# Altium PCB JacdacBreadboardEc30-16x6 128.PcbDoc (part 2 of 2) (continued)
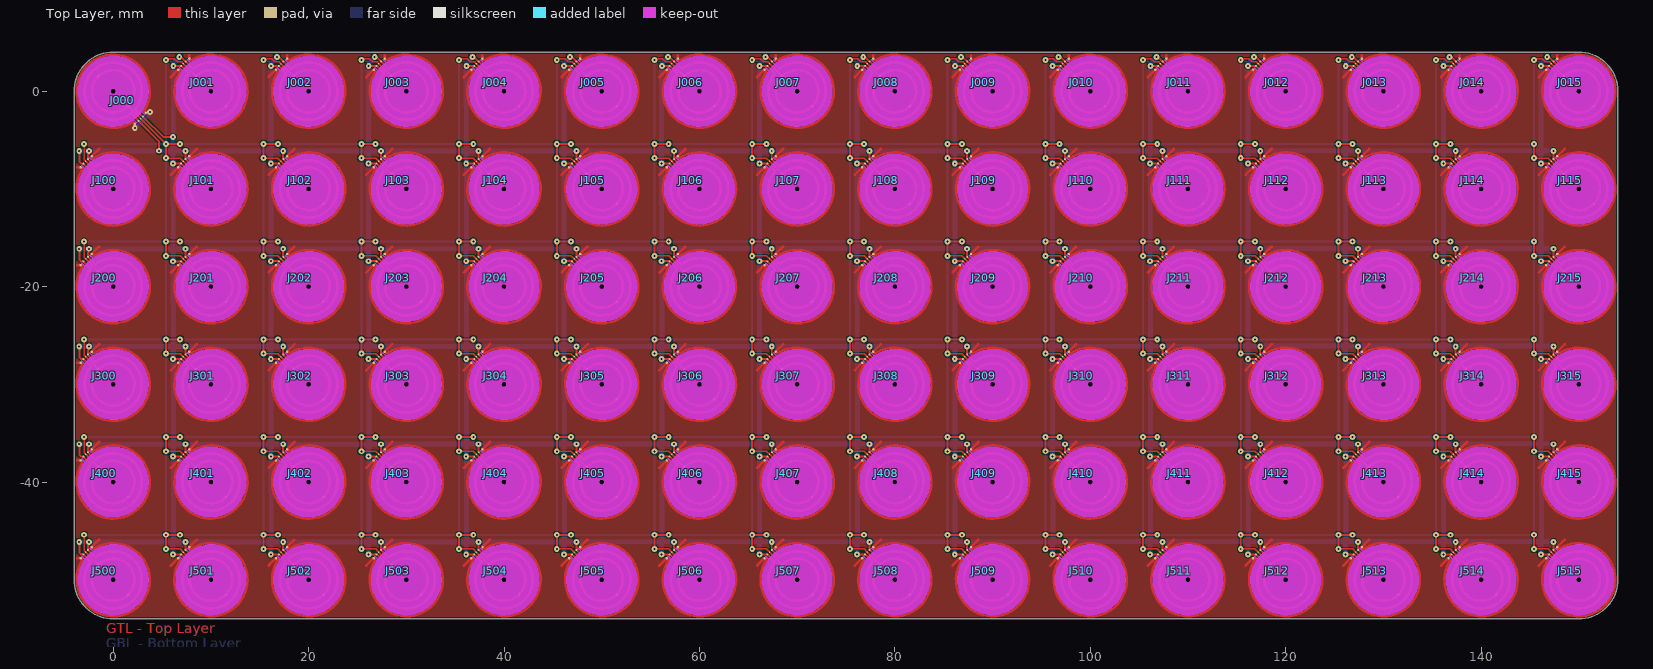
[diagram p0: Top Layer view]
## Nets (pads, with @x,y where several pads share a name; then routed paths per layer and width w, separated by ;. In a path a pad name is that pad's centre, name@x,y a point inside that pad or via, vN(x,y) a via of type N, cw(c..) or ccw(c..) an arc to the next point about the centre after c; other vN are vias at no path point) (continued)
  Bottom Layer w0.5: v1(-3.481,-46.131) v1(-2.471,-46.131) ; v1(-3.481,-36.131) v1(-2.471,-36.131) ; v1(-3.481,-26.131) v1(-2.471,-26.131) ; v1(-3.481,-16.131) v1(-2.471,-16.131) ; v1(-3.481,-6.131) v1(-2.471,-6.131) ; v1@-2.592,-46.137 6.134,-46.134 ; v1@-2.592,-36.137 6.134,-36.134 7.4,-36.134 16.134,-36.131 ; v1@-2.592,-26.137 6.134,-26.134 7.4,-26.134 16.134,-26.131 ; v1@-2.592,-16.137 6.134,-16.134 7.4,-16.134 16.134,-16.131 ; v1@-2.471,-6.137 -2.45,-6.116 4.684,-6.116 v1(4.7,-6.1) 4.719,-6.119 5.411,-6.119 5.426,-6.134 6.134,-6.134 ; v1@6.134,2.576 6.141,2.569 6.141,-4.691 v1(6.131,-4.7) 6.134,-4.702 6.134,-6.134 ; v1@6.135,-47.4 6.134,-46.134 ; v1(6.15,2.592) 6.169,2.611 6.169,2.876 6.766,3.473 v1(6.766,3.5) ; 6.173,-46.134 6.164,-37.4 6.163,-36.134 6.154,-27.4 6.153,-26.134 6.153,-21.796 6.131,-21.774 v1(6.131,-17.409) 6.143,-17.396 6.143,-16.134 6.135,-7.4 6.134,-6.134 ; v1@16.125,2.592 16.134,-6.131 ; v1@16.135,-47.4 16.134,-46.131 ; v1@16.135,-37.4 16.134,-36.131 ; v1@16.135,-27.4 16.134,-26.131 ; v1@16.135,-17.4 16.134,-16.131 ; 16.143,-16.134 16.135,-7.4 16.134,-6.131 ; v1@16.145,-17.4 16.153,-26.134 16.163,-36.134 16.173,-46.134 ; v1(16.15,2.592) 16.169,2.611 16.169,2.876 16.766,3.473 v1(16.766,3.5) ; v1@26.125,2.592 26.134,-6.128 ; v1@26.135,-47.4 26.134,-46.128 ; v1@26.135,-37.4 26.134,-36.128 ; v1@26.135,-27.4 26.134,-26.128 ; v1@26.135,-17.4 26.134,-16.128 ; v1@26.145,-17.4 26.153,-26.134 26.163,-36.134 26.173,-46.134 ; 26.143,-16.134 26.135,-7.4 26.134,-6.128 ; v1(26.15,2.592) 26.169,2.611 26.169,2.876 26.766,3.473 v1(26.766,3.5) ; v1@36.125,2.592 36.134,-6.124 ; v1@36.135,-47.4 36.134,-46.124 ; v1@36.135,-37.4 36.134,-36.124 ; v1@36.135,-27.4 36.134,-26.124 ; v1@36.135,-17.4 36.134,-16.124 ; 36.143,-16.134 36.135,-7.4 36.134,-6.124 ; v1@36.145,-17.4 36.153,-26.134 36.163,-36.134 36.173,-46.134 ; v1(36.15,2.592) 36.169,2.611 36.169,2.876 36.766,3.473 v1(36.766,3.5) ; v1@46.125,2.592 46.134,-6.121 ; v1@46.135,-47.4 46.134,-46.121 ; v1@46.135,-37.4 46.134,-36.121 ; v1@46.135,-27.4 46.134,-26.121 ; v1@46.135,-17.4 46.134,-16.121 ; 46.143,-16.134 46.135,-7.4 46.134,-6.121 ; v1@46.145,-17.4 46.153,-26.134 46.163,-36.134 46.173,-46.134 ; v1(46.15,2.592) 46.169,2.611 46.169,2.876 46.766,3.473 v1(46.766,3.5) ; v1@56.125,2.592 56.134,-6.118 ; v1@56.135,-47.4 56.134,-46.118 ; v1@56.135,-37.4 56.134,-36.118 ; v1@56.135,-27.4 56.134,-26.118 ; v1@56.135,-17.4 56.134,-16.118 ; 56.143,-16.134 56.135,-7.4 56.134,-6.118 ; v1@56.145,-17.4 56.153,-26.134 56.163,-36.134 56.173,-46.134 ; v1(56.15,2.592) 56.169,2.611 56.169,2.876 56.766,3.473 v1(56.766,3.5) ; v1@66.125,2.592 66.134,-6.114 ; v1@66.135,-47.4 66.134,-46.114 ; v1@66.135,-37.4 66.134,-36.114 ; v1@66.135,-27.4 66.134,-26.114 ; v1@66.135,-17.4 66.134,-16.114 ; 66.143,-16.134 66.135,-7.4 66.134,-6.114 ; v1@66.145,-17.4 66.153,-26.134 66.163,-36.134 66.173,-46.134 ; v1(66.15,2.592) 66.169,2.611 66.169,2.876 66.766,3.473 v1(66.766,3.5) ; v1@76.125,2.592 76.134,-6.111 ; v1@76.135,-47.4 76.134,-46.111 ; v1@76.135,-37.4 76.134,-36.111 ; v1@76.135,-27.4 76.134,-26.111 ; v1@76.135,-17.4 76.134,-16.111 ; 76.143,-16.134 76.135,-7.4 76.134,-6.111 ; v1@76.145,-17.4 76.153,-26.134 76.163,-36.134 76.173,-46.134 ; v1(76.15,2.592) 76.169,2.611 76.169,2.876 76.766,3.473 v1(76.766,3.5) ; v1@86.125,2.592 86.134,-6.108 ; v1@86.135,-47.4 86.134,-46.108 ; v1@86.135,-37.4 86.134,-36.108 ; v1@86.135,-27.4 86.134,-26.108 ; v1@86.135,-17.4 86.134,-16.108 ; 86.143,-16.134 86.135,-7.4 86.134,-6.108 ; v1@86.145,-17.4 86.153,-26.134 86.163,-36.134 86.173,-46.134 ; v1(86.15,2.592) 86.169,2.611 86.169,2.876 86.766,3.473 v1(86.766,3.5) ; v1@96.125,2.592 96.134,-6.105 ; v1@96.135,-47.4 96.134,-46.105 ; v1@96.135,-37.4 96.134,-36.105 ; v1@96.135,-27.4 96.134,-26.105 ; v1@96.135,-17.4 96.134,-16.105 ; 96.143,-16.134 96.135,-7.4 96.134,-6.105 ; v1@96.145,-17.4 96.153,-26.134 96.163,-36.134 96.173,-46.134 ; v1(96.15,2.592) 96.169,2.611 96.169,2.876 96.766,3.473 v1(96.766,3.5) ; v1@106.125,2.592 106.134,-6.101 ; v1@106.135,-47.4 106.134,-46.101 ; v1@106.135,-37.4 106.134,-36.101 ; v1@106.135,-27.4 106.134,-26.101 ; v1@106.135,-17.4 106.134,-16.101 ; 106.143,-16.134 106.135,-7.4 106.134,-6.101 ; v1@106.145,-17.4 106.153,-26.134 106.163,-36.134 106.173,-46.134 ; v1(106.15,2.592) 106.169,2.611 106.169,2.876 106.766,3.473 v1(106.766,3.5) ; v1@116.125,2.592 116.134,-6.098 ; v1@116.135,-47.4 116.134,-46.098 ; v1@116.135,-37.4 116.134,-36.098 ; v1@116.135,-27.4 116.134,-26.098 ; v1@116.135,-17.4 116.134,-16.098 ; 116.143,-16.134 116.135,-7.4 116.134,-6.098 ; v1@116.145,-17.4 116.153,-26.134 116.163,-36.134 116.173,-46.134 ; v1(116.15,2.592) 116.169,2.611 116.169,2.876 116.766,3.473 v1(116.766,3.5) ; v1@126.125,2.592 126.134,-6.095 ; v1@126.135,-47.4 126.134,-46.095 ; v1@126.135,-37.4 126.134,-36.095 ; v1@126.135,-27.4 126.134,-26.095 ; v1@126.135,-17.4 126.134,-16.095 ; 126.143,-16.134 126.135,-7.4 126.134,-6.095 ; v1@126.145,-17.4 126.153,-26.134 126.163,-36.134 126.173,-46.134 ; v1(126.15,2.592) 126.169,2.611 126.169,2.876 126.766,3.473 v1(126.766,3.5) ; v1@136.125,2.592 136.134,-6.091 ; v1@136.135,-47.4 136.134,-46.091 ; v1@136.135,-37.4 136.134,-36.091 ; v1@136.135,-27.4 136.134,-26.091 ; v1@136.135,-17.4 136.134,-16.091 ; 136.143,-16.134 136.135,-7.4 136.134,-6.091 ; v1@136.145,-17.4 136.153,-26.134 136.163,-36.134 136.173,-46.134 ; v1(136.15,2.592) 136.169,2.611 136.169,2.876 136.766,3.473 v1(136.766,3.5) ; v1@146.125,2.592 146.134,-6.088 ; v1@146.135,-47.4 146.134,-46.088 ; v1@146.135,-37.4 146.134,-36.088 ; v1@146.135,-27.4 146.134,-26.088 ; v1@146.135,-17.4 146.134,-16.088 ; 146.143,-16.134 146.135,-7.4 146.134,-6.088 ; v1@146.145,-17.4 146.153,-26.134 146.163,-36.134 146.173,-46.134 ; v1(146.15,2.592) 146.169,2.611 146.169,2.876 146.766,3.473 v1(146.766,3.5) ; v1@147.4,-46.088 146.134,-46.088 ; v1@147.4,-36.088 146.134,-36.088 ; v1@147.4,-26.088 146.134,-26.088 ; v1@147.4,-16.088 146.134,-16.088 ; v1@147.4,-6.088 146.134,-6.088 ; 6.134,-46.134 7.4,-46.134 16.134,-46.131 ; 6.134,-6.134 7.4,-6.134 16.134,-6.131 ; 16.134,-46.131 v1(17.4,-46.131) 26.134,-46.128 ; 16.134,-36.131 v1(17.4,-36.131) 26.134,-36.128 ; 16.134,-26.131 v1(17.4,-26.131) 26.134,-26.128 ; 16.134,-16.131 v1(17.4,-16.131) 26.134,-16.128 ; 16.134,-6.131 v1(17.4,-6.131) 26.134,-6.128 ; 26.134,-46.128 27.4,-46.127 36.134,-46.124 ; 26.134,-36.128 27.4,-36.127 36.134,-36.124 ; 26.134,-26.128 27.4,-26.127 36.134,-26.124 ; 26.134,-16.128 27.4,-16.127 36.134,-16.124 ; 26.134,-6.128 27.4,-6.127 36.134,-6.124 ; 36.134,-46.124 37.4,-46.124 46.134,-46.121 ; 36.134,-36.124 37.4,-36.124 46.134,-36.121 ; 36.134,-26.124 37.4,-26.124 46.134,-26.121 ; 36.134,-16.124 37.4,-16.124 46.134,-16.121 ; 36.134,-6.124 37.4,-6.124 46.134,-6.121 ; 46.134,-46.121 47.4,-46.121 56.134,-46.118 ; 46.134,-36.121 47.4,-36.121 56.134,-36.118 ; 46.134,-26.121 47.4,-26.121 56.134,-26.118 ; 46.134,-16.121 47.4,-16.121 56.134,-16.118 ; 46.134,-6.121 47.4,-6.121 56.134,-6.118 ; 56.134,-46.118 57.4,-46.117 66.134,-46.114 ; 56.134,-36.118 57.4,-36.117 66.134,-36.114 ; 56.134,-26.118 57.4,-26.117 66.134,-26.114 ; 56.134,-16.118 57.4,-16.117 66.134,-16.114 ; 56.134,-6.118 57.4,-6.117 66.134,-6.114 ; 66.134,-46.114 67.4,-46.114 76.134,-46.111 ; 66.134,-36.114 67.4,-36.114 76.134,-36.111 ; 66.134,-26.114 67.4,-26.114 76.134,-26.111 ; 66.134,-16.114 67.4,-16.114 76.134,-16.111 ; 66.134,-6.114 67.4,-6.114 76.134,-6.111 ; 76.134,-46.111 77.4,-46.111 86.134,-46.108 ; 76.134,-36.111 77.4,-36.111 86.134,-36.108 ; 76.134,-26.111 77.4,-26.111 86.134,-26.108 ; 76.134,-16.111 77.4,-16.111 86.134,-16.108 ; 76.134,-6.111 77.4,-6.111 86.134,-6.108 ; 86.134,-46.108 87.4,-46.107 96.134,-46.105 ; 86.134,-36.108 87.4,-36.107 96.134,-36.105 ; 86.134,-26.108 87.4,-26.107 96.134,-26.105 ; 86.134,-16.108 87.4,-16.107 96.134,-16.105 ; 86.134,-6.108 87.4,-6.107 96.134,-6.105 ; 96.134,-46.105 97.4,-46.104 106.134,-46.101 ; 96.134,-36.105 97.4,-36.104 106.134,-36.101 ; 96.134,-26.105 97.4,-26.104 106.134,-26.101 ; 96.134,-16.105 97.4,-16.104 106.134,-16.101 ; 96.134,-6.105 97.4,-6.104 106.134,-6.101 ; 106.134,-46.101 107.4,-46.101 116.134,-46.098 ; 106.134,-36.101 107.4,-36.101 116.134,-36.098 ; 106.134,-26.101 107.4,-26.101 116.134,-26.098 ; 106.134,-16.101 107.4,-16.101 116.134,-16.098 ; 106.134,-6.101 107.4,-6.101 116.134,-6.098 ; 116.134,-46.098 117.4,-46.098 126.134,-46.095 ; 116.134,-36.098 117.4,-36.098 126.134,-36.095 ; 116.134,-26.098 117.4,-26.098 126.134,-26.095 ; 116.134,-16.098 117.4,-16.098 126.134,-16.095 ; 116.134,-6.098 117.4,-6.098 126.134,-6.095 ; 126.134,-46.095 127.4,-46.094 136.134,-46.091 ; 126.134,-36.095 127.4,-36.094 136.134,-36.091 ; 126.134,-26.095 127.4,-26.094 136.134,-26.091 ; 126.134,-16.095 127.4,-16.094 136.134,-16.091 ; 126.134,-6.095 127.4,-6.094 136.134,-6.091 ; 136.134,-46.091 137.4,-46.091 146.134,-46.088 ; 136.134,-36.091 137.4,-36.091 146.134,-36.088 ; 136.134,-26.091 137.4,-26.091 146.134,-26.088 ; 136.134,-16.091 137.4,-16.091 146.134,-16.088 ; 136.134,-6.091 137.4,-6.091 146.134,-6.088
  other v1: 6.131,-47.4 16.131,-47.4 26.131,-47.4 36.131,-47.4 46.131,-47.4 56.131,-47.4 66.131,-47.4 76.131,-47.4 86.131,-47.4 96.131,-47.4 106.131,-47.4 116.131,-47.4 126.131,-47.4 136.131,-47.4 146.131,-47.4 6.131,-37.4 16.131,-37.4 26.131,-37.4 36.131,-37.4 46.131,-37.4 56.131,-37.4 66.131,-37.4 76.131,-37.4 86.131,-37.4 96.131,-37.4 106.131,-37.4 116.131,-37.4 126.131,-37.4 136.131,-37.4 146.131,-37.4 6.131,-27.4 16.131,-27.4 26.131,-27.4 36.131,-27.4 46.131,-27.4 56.131,-27.4 66.131,-27.4 76.131,-27.4 86.131,-27.4 96.131,-27.4 106.131,-27.4 116.131,-27.4 126.131,-27.4 136.131,-27.4 146.131,-27.4 16.131,-17.4 26.131,-17.4 36.131,-17.4 46.131,-17.4 56.131,-17.4 66.131,-17.4 76.131,-17.4 86.131,-17.4 96.131,-17.4 106.131,-17.4 116.131,-17.4 126.131,-17.4 136.131,-17.4 146.131,-17.4 6.131,-7.4 16.131,-7.4 26.131,-7.4 36.131,-7.4 46.131,-7.4 56.131,-7.4 66.131,-7.4 76.131,-7.4 86.131,-7.4 96.131,-7.4 106.131,-7.4 116.131,-7.4 126.131,-7.4 136.131,-7.4 146.131,-7.4
pads on no net: J000.16 J001.16 J002.16 J003.16 J004.16 J005.16 J006.16 J007.16 J008.16 J009.16 J010.16 J011.16 J012.16 J013.16 J014.16 J015.16 J100.16 J101.16 J102.16 J103.16 J104.16 J105.16 J106.16 J107.16 J108.16 J109.16 J110.16 J111.16 J112.16 J113.16 J114.16 J115.16 J200.16 J201.16 J202.16 J203.16 J204.16 J205.16 J206.16 J207.16 J208.16 J209.16 J210.16 J211.16 J212.16 J213.16 J214.16 J215.16 J300.16 J301.16 J302.16 J303.16 J304.16 J305.16 J306.16 J307.16 J308.16 J309.16 J310.16 J311.16 J312.16 J313.16 J314.16 J315.16 J400.16 J401.16 J402.16 J403.16 J404.16 J405.16 J406.16 J407.16 J408.16 J409.16 J410.16 J411.16 J412.16 J413.16 J414.16 J415.16 J500.16 J501.16 J502.16 J503.16 J504.16 J505.16 J506.16 J507.16 J508.16 J509.16 J510.16 J511.16 J512.16 J513.16 J514.16 J515.16

## Polygon pours and split planes (outlines as drawn)
GND on Top Layer "NONET_L-01_P-001" (solid, pour order 0): -4,-49.995 -4,0 cw(c0,0) 0,4 150.006,4 cw(c150.006,0) 154.006,0 154,0 154,-50 cw(c150,-50) 150,-54 0,-54 0,-53.995 cw(c0,-49.995)

## Other copper
Top Layer:
  text "GTL - Top Layer" at -0.699,-55.847 h1.7
Bottom Layer:
  pour cut-out: 6.5,-10 ccw(c10,-10) 10,-13.5 ccw(c10,-10) 13.5,-10 ccw(c10,-10) 10,-6.5 ccw(c10,-10)
  pour cut-out: 146.5,-50 ccw(c150,-50) 150,-53.5 ccw(c150,-50) 153.5,-50 ccw(c150,-50) 150,-46.5 ccw(c150,-50)
  pour cut-out: 146.5,-40 ccw(c150,-40) 150,-43.5 ccw(c150,-40) 153.5,-40 ccw(c150,-40) 150,-36.5 ccw(c150,-40)
  pour cut-out: 146.5,-30 ccw(c150,-30) 150,-33.5 ccw(c150,-30) 153.5,-30 ccw(c150,-30) 150,-26.5 ccw(c150,-30)
  pour cut-out: 146.5,-20 ccw(c150,-20) 150,-23.5 ccw(c150,-20) 153.5,-20 ccw(c150,-20) 150,-16.5 ccw(c150,-20)
  pour cut-out: 146.5,-10 ccw(c150,-10) 150,-13.5 ccw(c150,-10) 153.5,-10 ccw(c150,-10) 150,-6.5 ccw(c150,-10)
  pour cut-out: 146.5,0 ccw(c150,0) 150,-3.5 ccw(c150,0) 153.5,0 ccw(c150,0) 150,3.5 ccw(c150,0)
  pour cut-out: 136.5,-50 ccw(c140,-50) 140,-53.5 ccw(c140,-50) 143.5,-50 ccw(c140,-50) 140,-46.5 ccw(c140,-50)
  pour cut-out: 136.5,-40 ccw(c140,-40) 140,-43.5 ccw(c140,-40) 143.5,-40 ccw(c140,-40) 140,-36.5 ccw(c140,-40)
  pour cut-out: 136.5,-30 ccw(c140,-30) 140,-33.5 ccw(c140,-30) 143.5,-30 ccw(c140,-30) 140,-26.5 ccw(c140,-30)
  pour cut-out: 136.5,-20 ccw(c140,-20) 140,-23.5 ccw(c140,-20) 143.5,-20 ccw(c140,-20) 140,-16.5 ccw(c140,-20)
  pour cut-out: 136.5,-10 ccw(c140,-10) 140,-13.5 ccw(c140,-10) 143.5,-10 ccw(c140,-10) 140,-6.5 ccw(c140,-10)
  pour cut-out: 136.5,0 ccw(c140,0) 140,-3.5 ccw(c140,0) 143.5,0 ccw(c140,0) 140,3.5 ccw(c140,0)
  pour cut-out: 126.5,-50 ccw(c130,-50) 130,-53.5 ccw(c130,-50) 133.5,-50 ccw(c130,-50) 130,-46.5 ccw(c130,-50)
  pour cut-out: 126.5,-40 ccw(c130,-40) 130,-43.5 ccw(c130,-40) 133.5,-40 ccw(c130,-40) 130,-36.5 ccw(c130,-40)
  pour cut-out: 126.5,-30 ccw(c130,-30) 130,-33.5 ccw(c130,-30) 133.5,-30 ccw(c130,-30) 130,-26.5 ccw(c130,-30)
  pour cut-out: 126.5,-20 ccw(c130,-20) 130,-23.5 ccw(c130,-20) 133.5,-20 ccw(c130,-20) 130,-16.5 ccw(c130,-20)
  pour cut-out: 126.5,-10 ccw(c130,-10) 130,-13.5 ccw(c130,-10) 133.5,-10 ccw(c130,-10) 130,-6.5 ccw(c130,-10)
  pour cut-out: 126.5,0 ccw(c130,0) 130,-3.5 ccw(c130,0) 133.5,0 ccw(c130,0) 130,3.5 ccw(c130,0)
  pour cut-out: 116.5,-50 ccw(c120,-50) 120,-53.5 ccw(c120,-50) 123.5,-50 ccw(c120,-50) 120,-46.5 ccw(c120,-50)
  pour cut-out: 116.5,-40 ccw(c120,-40) 120,-43.5 ccw(c120,-40) 123.5,-40 ccw(c120,-40) 120,-36.5 ccw(c120,-40)
  pour cut-out: 116.5,-30 ccw(c120,-30) 120,-33.5 ccw(c120,-30) 123.5,-30 ccw(c120,-30) 120,-26.5 ccw(c120,-30)
  pour cut-out: 116.5,-20 ccw(c120,-20) 120,-23.5 ccw(c120,-20) 123.5,-20 ccw(c120,-20) 120,-16.5 ccw(c120,-20)
  pour cut-out: 116.5,-10 ccw(c120,-10) 120,-13.5 ccw(c120,-10) 123.5,-10 ccw(c120,-10) 120,-6.5 ccw(c120,-10)
  pour cut-out: 116.5,0 ccw(c120,0) 120,-3.5 ccw(c120,0) 123.5,0 ccw(c120,0) 120,3.5 ccw(c120,0)
  pour cut-out: 106.5,-50 ccw(c110,-50) 110,-53.5 ccw(c110,-50) 113.5,-50 ccw(c110,-50) 110,-46.5 ccw(c110,-50)
  pour cut-out: 106.5,-40 ccw(c110,-40) 110,-43.5 ccw(c110,-40) 113.5,-40 ccw(c110,-40) 110,-36.5 ccw(c110,-40)
  pour cut-out: 106.5,-30 ccw(c110,-30) 110,-33.5 ccw(c110,-30) 113.5,-30 ccw(c110,-30) 110,-26.5 ccw(c110,-30)
  pour cut-out: 106.5,-20 ccw(c110,-20) 110,-23.5 ccw(c110,-20) 113.5,-20 ccw(c110,-20) 110,-16.5 ccw(c110,-20)
  pour cut-out: 106.5,-10 ccw(c110,-10) 110,-13.5 ccw(c110,-10) 113.5,-10 ccw(c110,-10) 110,-6.5 ccw(c110,-10)
  pour cut-out: 106.5,0 ccw(c110,0) 110,-3.5 ccw(c110,0) 113.5,0 ccw(c110,0) 110,3.5 ccw(c110,0)
  pour cut-out: 96.5,-50 ccw(c100,-50) 100,-53.5 ccw(c100,-50) 103.5,-50 ccw(c100,-50) 100,-46.5 ccw(c100,-50)
  pour cut-out: 96.5,-40 ccw(c100,-40) 100,-43.5 ccw(c100,-40) 103.5,-40 ccw(c100,-40) 100,-36.5 ccw(c100,-40)
  pour cut-out: 96.5,-30 ccw(c100,-30) 100,-33.5 ccw(c100,-30) 103.5,-30 ccw(c100,-30) 100,-26.5 ccw(c100,-30)
  pour cut-out: 96.5,-20 ccw(c100,-20) 100,-23.5 ccw(c100,-20) 103.5,-20 ccw(c100,-20) 100,-16.5 ccw(c100,-20)
  pour cut-out: 96.5,-10 ccw(c100,-10) 100,-13.5 ccw(c100,-10) 103.5,-10 ccw(c100,-10) 100,-6.5 ccw(c100,-10)
  pour cut-out: 96.5,0 ccw(c100,0) 100,-3.5 ccw(c100,0) 103.5,0 ccw(c100,0) 100,3.5 ccw(c100,0)
  pour cut-out: 86.5,-50 ccw(c90,-50) 90,-53.5 ccw(c90,-50) 93.5,-50 ccw(c90,-50) 90,-46.5 ccw(c90,-50)
  pour cut-out: 86.5,-40 ccw(c90,-40) 90,-43.5 ccw(c90,-40) 93.5,-40 ccw(c90,-40) 90,-36.5 ccw(c90,-40)
  pour cut-out: 86.5,-30 ccw(c90,-30) 90,-33.5 ccw(c90,-30) 93.5,-30 ccw(c90,-30) 90,-26.5 ccw(c90,-30)
  pour cut-out: 86.5,-20 ccw(c90,-20) 90,-23.5 ccw(c90,-20) 93.5,-20 ccw(c90,-20) 90,-16.5 ccw(c90,-20)
  pour cut-out: 86.5,-10 ccw(c90,-10) 90,-13.5 ccw(c90,-10) 93.5,-10 ccw(c90,-10) 90,-6.5 ccw(c90,-10)
  pour cut-out: 86.5,0 ccw(c90,0) 90,-3.5 ccw(c90,0) 93.5,0 ccw(c90,0) 90,3.5 ccw(c90,0)
  pour cut-out: 76.5,-50 ccw(c80,-50) 80,-53.5 ccw(c80,-50) 83.5,-50 ccw(c80,-50) 80,-46.5 ccw(c80,-50)
  pour cut-out: 76.5,-40 ccw(c80,-40) 80,-43.5 ccw(c80,-40) 83.5,-40 ccw(c80,-40) 80,-36.5 ccw(c80,-40)
  pour cut-out: 76.5,-30 ccw(c80,-30) 80,-33.5 ccw(c80,-30) 83.5,-30 ccw(c80,-30) 80,-26.5 ccw(c80,-30)
  pour cut-out: 76.5,-20 ccw(c80,-20) 80,-23.5 ccw(c80,-20) 83.5,-20 ccw(c80,-20) 80,-16.5 ccw(c80,-20)
  pour cut-out: 76.5,-10 ccw(c80,-10) 80,-13.5 ccw(c80,-10) 83.5,-10 ccw(c80,-10) 80,-6.5 ccw(c80,-10)
  pour cut-out: 76.5,0 ccw(c80,0) 80,-3.5 ccw(c80,0) 83.5,0 ccw(c80,0) 80,3.5 ccw(c80,0)
  pour cut-out: 66.5,-50 ccw(c70,-50) 70,-53.5 ccw(c70,-50) 73.5,-50 ccw(c70,-50) 70,-46.5 ccw(c70,-50)
  pour cut-out: 66.5,-40 ccw(c70,-40) 70,-43.5 ccw(c70,-40) 73.5,-40 ccw(c70,-40) 70,-36.5 ccw(c70,-40)
  pour cut-out: 66.5,-30 ccw(c70,-30) 70,-33.5 ccw(c70,-30) 73.5,-30 ccw(c70,-30) 70,-26.5 ccw(c70,-30)
  pour cut-out: 66.5,-20 ccw(c70,-20) 70,-23.5 ccw(c70,-20) 73.5,-20 ccw(c70,-20) 70,-16.5 ccw(c70,-20)
  pour cut-out: 66.5,-10 ccw(c70,-10) 70,-13.5 ccw(c70,-10) 73.5,-10 ccw(c70,-10) 70,-6.5 ccw(c70,-10)
  pour cut-out: 66.5,0 ccw(c70,0) 70,-3.5 ccw(c70,0) 73.5,0 ccw(c70,0) 70,3.5 ccw(c70,0)
  pour cut-out: 56.5,-50 ccw(c60,-50) 60,-53.5 ccw(c60,-50) 63.5,-50 ccw(c60,-50) 60,-46.5 ccw(c60,-50)
  pour cut-out: 56.5,-40 ccw(c60,-40) 60,-43.5 ccw(c60,-40) 63.5,-40 ccw(c60,-40) 60,-36.5 ccw(c60,-40)
  pour cut-out: 56.5,-30 ccw(c60,-30) 60,-33.5 ccw(c60,-30) 63.5,-30 ccw(c60,-30) 60,-26.5 ccw(c60,-30)
  pour cut-out: 56.5,-20 ccw(c60,-20) 60,-23.5 ccw(c60,-20) 63.5,-20 ccw(c60,-20) 60,-16.5 ccw(c60,-20)
  pour cut-out: 56.5,-10 ccw(c60,-10) 60,-13.5 ccw(c60,-10) 63.5,-10 ccw(c60,-10) 60,-6.5 ccw(c60,-10)
  pour cut-out: 56.5,0 ccw(c60,0) 60,-3.5 ccw(c60,0) 63.5,0 ccw(c60,0) 60,3.5 ccw(c60,0)
  pour cut-out: 46.5,-50 ccw(c50,-50) 50,-53.5 ccw(c50,-50) 53.5,-50 ccw(c50,-50) 50,-46.5 ccw(c50,-50)
  pour cut-out: 46.5,-40 ccw(c50,-40) 50,-43.5 ccw(c50,-40) 53.5,-40 ccw(c50,-40) 50,-36.5 ccw(c50,-40)
  pour cut-out: 46.5,-30 ccw(c50,-30) 50,-33.5 ccw(c50,-30) 53.5,-30 ccw(c50,-30) 50,-26.5 ccw(c50,-30)
  pour cut-out: 46.5,-20 ccw(c50,-20) 50,-23.5 ccw(c50,-20) 53.5,-20 ccw(c50,-20) 50,-16.5 ccw(c50,-20)
  pour cut-out: 46.5,-10 ccw(c50,-10) 50,-13.5 ccw(c50,-10) 53.5,-10 ccw(c50,-10) 50,-6.5 ccw(c50,-10)
  pour cut-out: 46.5,0 ccw(c50,0) 50,-3.5 ccw(c50,0) 53.5,0 ccw(c50,0) 50,3.5 ccw(c50,0)
  pour cut-out: 36.5,-50 ccw(c40,-50) 40,-53.5 ccw(c40,-50) 43.5,-50 ccw(c40,-50) 40,-46.5 ccw(c40,-50)
  pour cut-out: 36.5,-40 ccw(c40,-40) 40,-43.5 ccw(c40,-40) 43.5,-40 ccw(c40,-40) 40,-36.5 ccw(c40,-40)
  pour cut-out: 36.5,-30 ccw(c40,-30) 40,-33.5 ccw(c40,-30) 43.5,-30 ccw(c40,-30) 40,-26.5 ccw(c40,-30)
  pour cut-out: 36.5,-20 ccw(c40,-20) 40,-23.5 ccw(c40,-20) 43.5,-20 ccw(c40,-20) 40,-16.5 ccw(c40,-20)
  pour cut-out: 36.5,-10 ccw(c40,-10) 40,-13.5 ccw(c40,-10) 43.5,-10 ccw(c40,-10) 40,-6.5 ccw(c40,-10)
  pour cut-out: 36.5,0 ccw(c40,0) 40,-3.5 ccw(c40,0) 43.5,0 ccw(c40,0) 40,3.5 ccw(c40,0)
  pour cut-out: 26.5,-50 ccw(c30,-50) 30,-53.5 ccw(c30,-50) 33.5,-50 ccw(c30,-50) 30,-46.5 ccw(c30,-50)
  pour cut-out: 26.5,-40 ccw(c30,-40) 30,-43.5 ccw(c30,-40) 33.5,-40 ccw(c30,-40) 30,-36.5 ccw(c30,-40)
  pour cut-out: 26.5,-30 ccw(c30,-30) 30,-33.5 ccw(c30,-30) 33.5,-30 ccw(c30,-30) 30,-26.5 ccw(c30,-30)
  pour cut-out: 26.5,-20 ccw(c30,-20) 30,-23.5 ccw(c30,-20) 33.5,-20 ccw(c30,-20) 30,-16.5 ccw(c30,-20)
  pour cut-out: 26.5,-10 ccw(c30,-10) 30,-13.5 ccw(c30,-10) 33.5,-10 ccw(c30,-10) 30,-6.5 ccw(c30,-10)
  pour cut-out: 26.5,0 ccw(c30,0) 30,-3.5 ccw(c30,0) 33.5,0 ccw(c30,0) 30,3.5 ccw(c30,0)
  pour cut-out: 16.5,-50 ccw(c20,-50) 20,-53.5 ccw(c20,-50) 23.5,-50 ccw(c20,-50) 20,-46.5 ccw(c20,-50)
  pour cut-out: 16.5,-40 ccw(c20,-40) 20,-43.5 ccw(c20,-40) 23.5,-40 ccw(c20,-40) 20,-36.5 ccw(c20,-40)
  pour cut-out: 16.5,-30 ccw(c20,-30) 20,-33.5 ccw(c20,-30) 23.5,-30 ccw(c20,-30) 20,-26.5 ccw(c20,-30)
  pour cut-out: 16.5,-20 ccw(c20,-20) 20,-23.5 ccw(c20,-20) 23.5,-20 ccw(c20,-20) 20,-16.5 ccw(c20,-20)
  pour cut-out: 16.5,-10 ccw(c20,-10) 20,-13.5 ccw(c20,-10) 23.5,-10 ccw(c20,-10) 20,-6.5 ccw(c20,-10)
  pour cut-out: 16.5,0 ccw(c20,0) 20,-3.5 ccw(c20,0) 23.5,0 ccw(c20,0) 20,3.5 ccw(c20,0)
  pour cut-out: 6.5,-50 ccw(c10,-50) 10,-53.5 ccw(c10,-50) 13.5,-50 ccw(c10,-50) 10,-46.5 ccw(c10,-50)
  pour cut-out: 6.5,-40 ccw(c10,-40) 10,-43.5 ccw(c10,-40) 13.5,-40 ccw(c10,-40) 10,-36.5 ccw(c10,-40)
  pour cut-out: 6.5,-30 ccw(c10,-30) 10,-33.5 ccw(c10,-30) 13.5,-30 ccw(c10,-30) 10,-26.5 ccw(c10,-30)
  pour cut-out: 6.5,-20 ccw(c10,-20) 10,-23.5 ccw(c10,-20) 13.5,-20 ccw(c10,-20) 10,-16.5 ccw(c10,-20)
  pour cut-out: 6.5,0 ccw(c10,0) 10,-3.5 ccw(c10,0) 13.5,0 ccw(c10,0) 10,3.5 ccw(c10,0)
  pour cut-out: -3.5,0 ccw(c0,0) 0,-3.5 ccw(c0,0) 3.5,0 ccw(c0,0) 0,3.5 ccw(c0,0)
  pour cut-out: -3.5,-10 ccw(c0,-10) 0,-13.5 ccw(c0,-10) 3.5,-10 ccw(c0,-10) 0,-6.5 ccw(c0,-10)
  pour cut-out: -3.5,-20 ccw(c0,-20) 0,-23.5 ccw(c0,-20) 3.5,-20 ccw(c0,-20) 0,-16.5 ccw(c0,-20)
  pour cut-out: -3.5,-30 ccw(c0,-30) 0,-33.5 ccw(c0,-30) 3.5,-30 ccw(c0,-30) 0,-26.5 ccw(c0,-30)
  pour cut-out: -3.5,-40 ccw(c0,-40) 0,-43.5 ccw(c0,-40) 3.5,-40 ccw(c0,-40) 0,-36.5 ccw(c0,-40)
  pour cut-out: -3.5,-50 ccw(c0,-50) 0,-53.5 ccw(c0,-50) 3.5,-50 ccw(c0,-50) 0,-46.5 ccw(c0,-50)
  text "GBL - Bottom Layer" at -0.699,-57.347 h1.7

## Silkscreen, mask and mechanical layers (free items; w line width, h text height)
Top Overlay:
  text "GTO - Top Overlay" at 13.801,-58.883 h1.7
Bottom Overlay:
  text "'.ProjectCodenameID'-'.ProjectRevision'" at 7.221,-45.877 h1.5
  text "'.ProjectCodename'" at 39.951,-46.643 h1.5
  text "GBO - Bottom Overlay" at 13.801,-60.383 h1.7
Top Paste:
  text "GTP - Top Paste" at 27.001,-55.847 h1.7
Bottom Paste:
  text "GBP - Bottom Paste" at 27.001,-57.347 h1.7
Top Solder:
  text "GTS - Top Solder (resist)" at 27.001,-58.883 h1.7
Bottom Solder:
  text "GBS - Bottom Solder (resist)" at 27.001,-60.383 h1.7
Fabrication notes:
  text "GM3 - Fabrication Notes" at -0.699,-58.883 h1.7
  text "Top layer copper fill goes close to board edge - please manufacture like this if possible, otherwise pull copper back from board edge." at 52,-60.7 h1.7
Alignment:
  circle w0.1: c0,-50 r3
  lines w0.1: -1.75,-50 ccw(c0,-50) 0,-51.75 ; -1.75,-36.637 cw(c0,-36.637) 0,-34.887 ; 33.25,-34.887 cw(c33.25,-36.637) 35,-36.637
Board Cutout:
  text "GM10 - Board Cutout" at -0.699,-61.883 h1.7
Board Outline:
  the board outline again, w0.2
  text "GKO - Board Outline" at -0.699,-60.383 h1.7
Top Assy:
  text "GM15 - Top Assy" at 13.801,-55.851 h1.7
Bottom Assy:
  text "GM16 - Bottom Assy" at 13.801,-57.351 h1.7